# Altium PCB DOAN2.PcbDoc
Units mm, origin at the board's own origin, x right, y up, seen from the top; angles counter-clockwise.
Board outline 202.82 x 161.8 mm, 2 copper layers (Top Layer, Bottom Layer); 71 components, 76 nets, 315 pads, 87 vias.
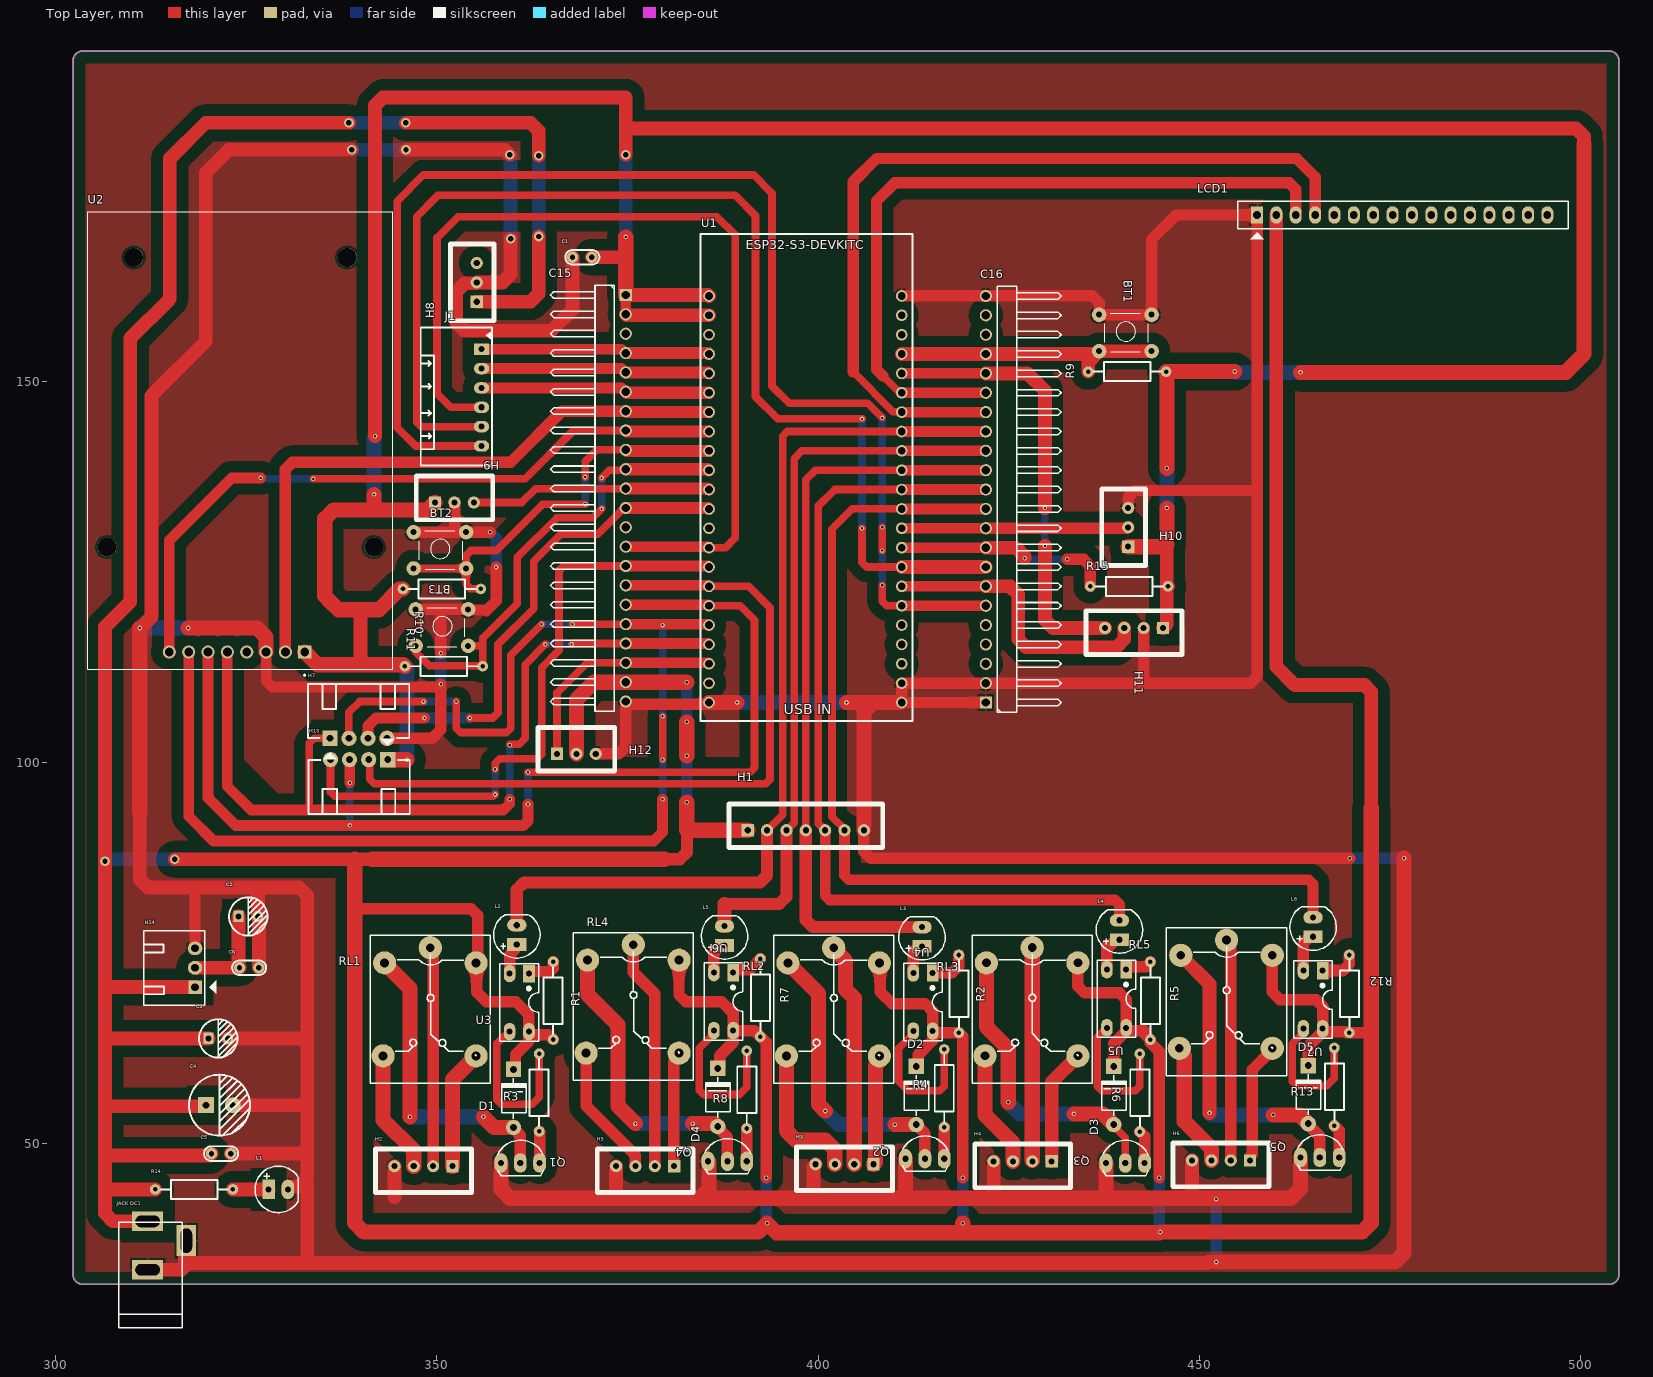
[diagram p0: Top Layer view]
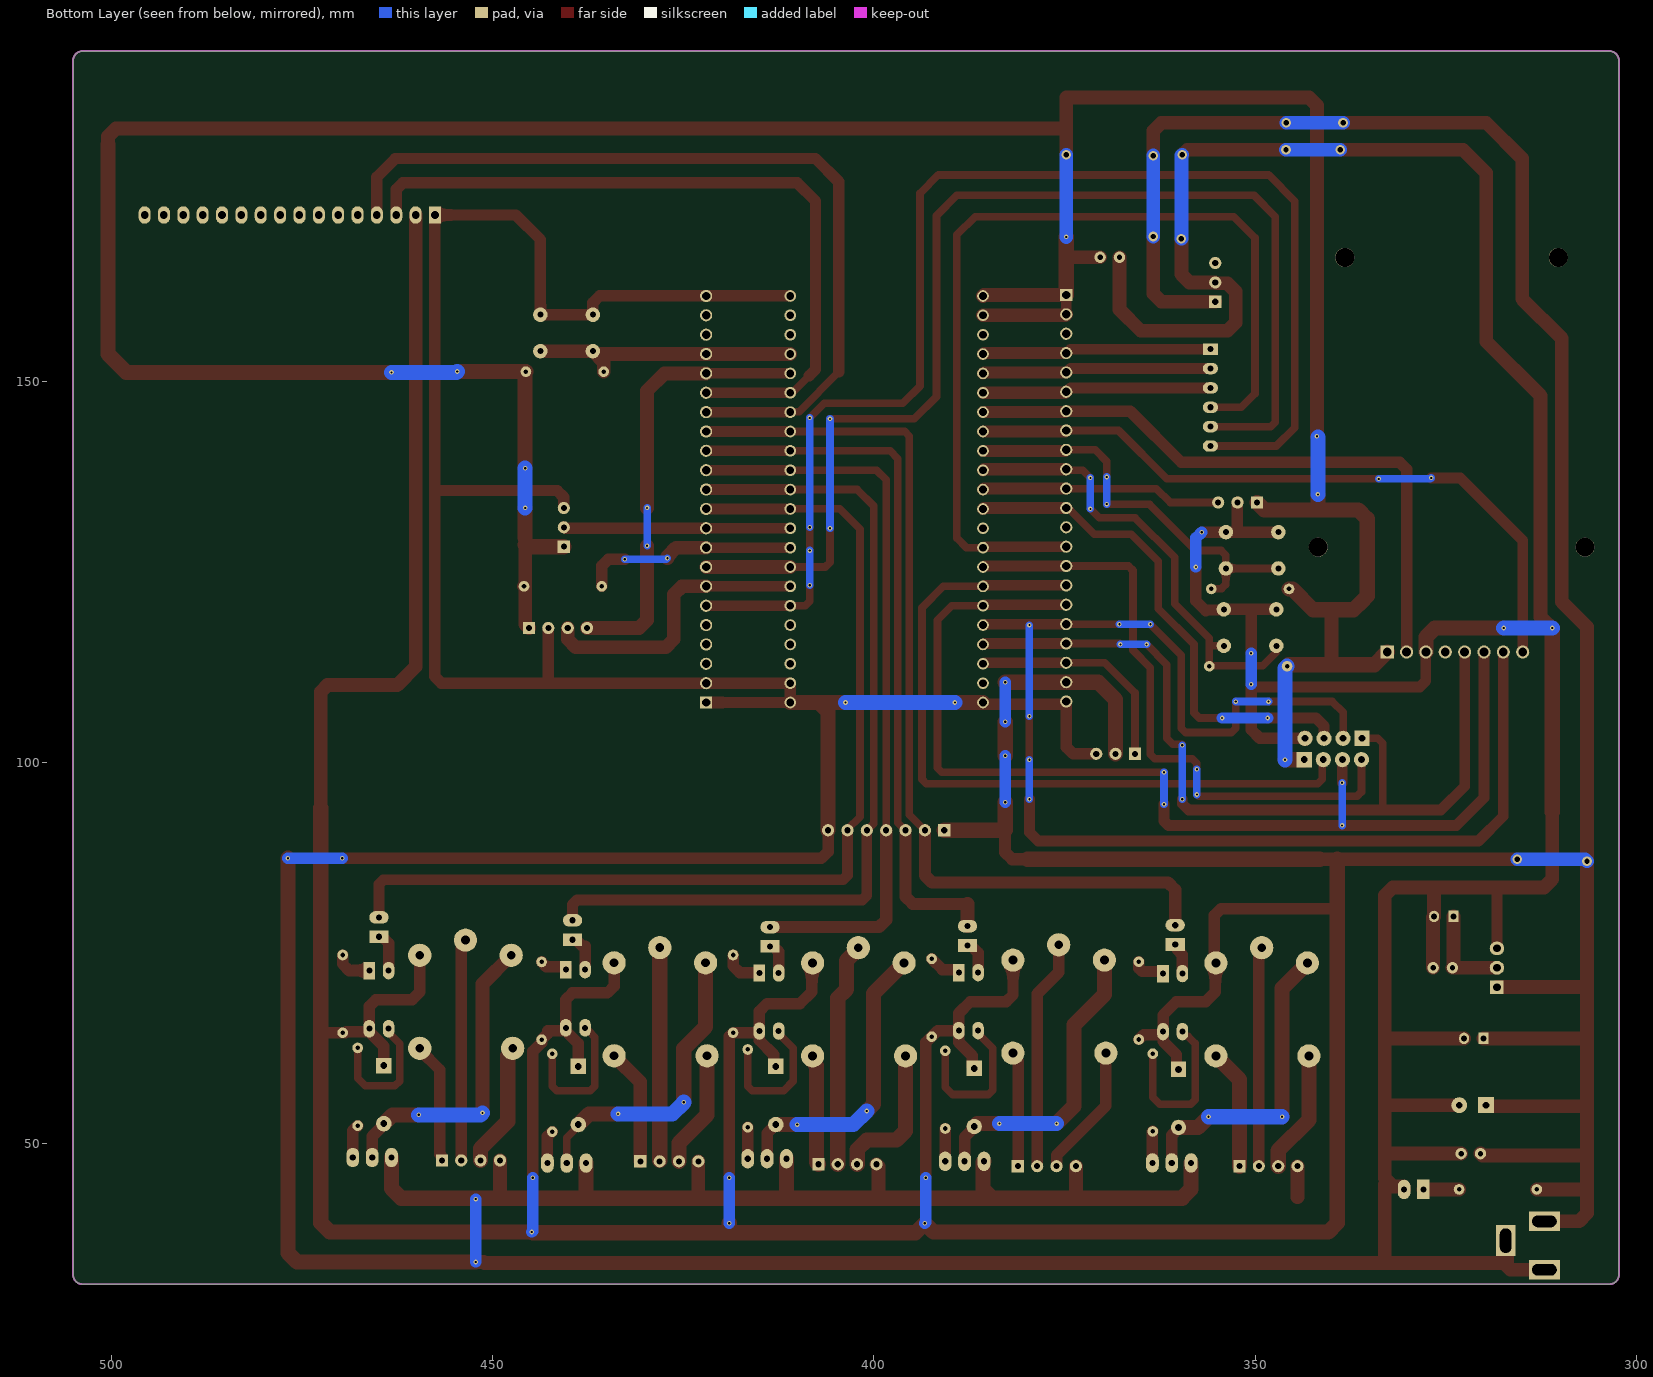
[diagram p1: Bottom Layer view, seen from below]
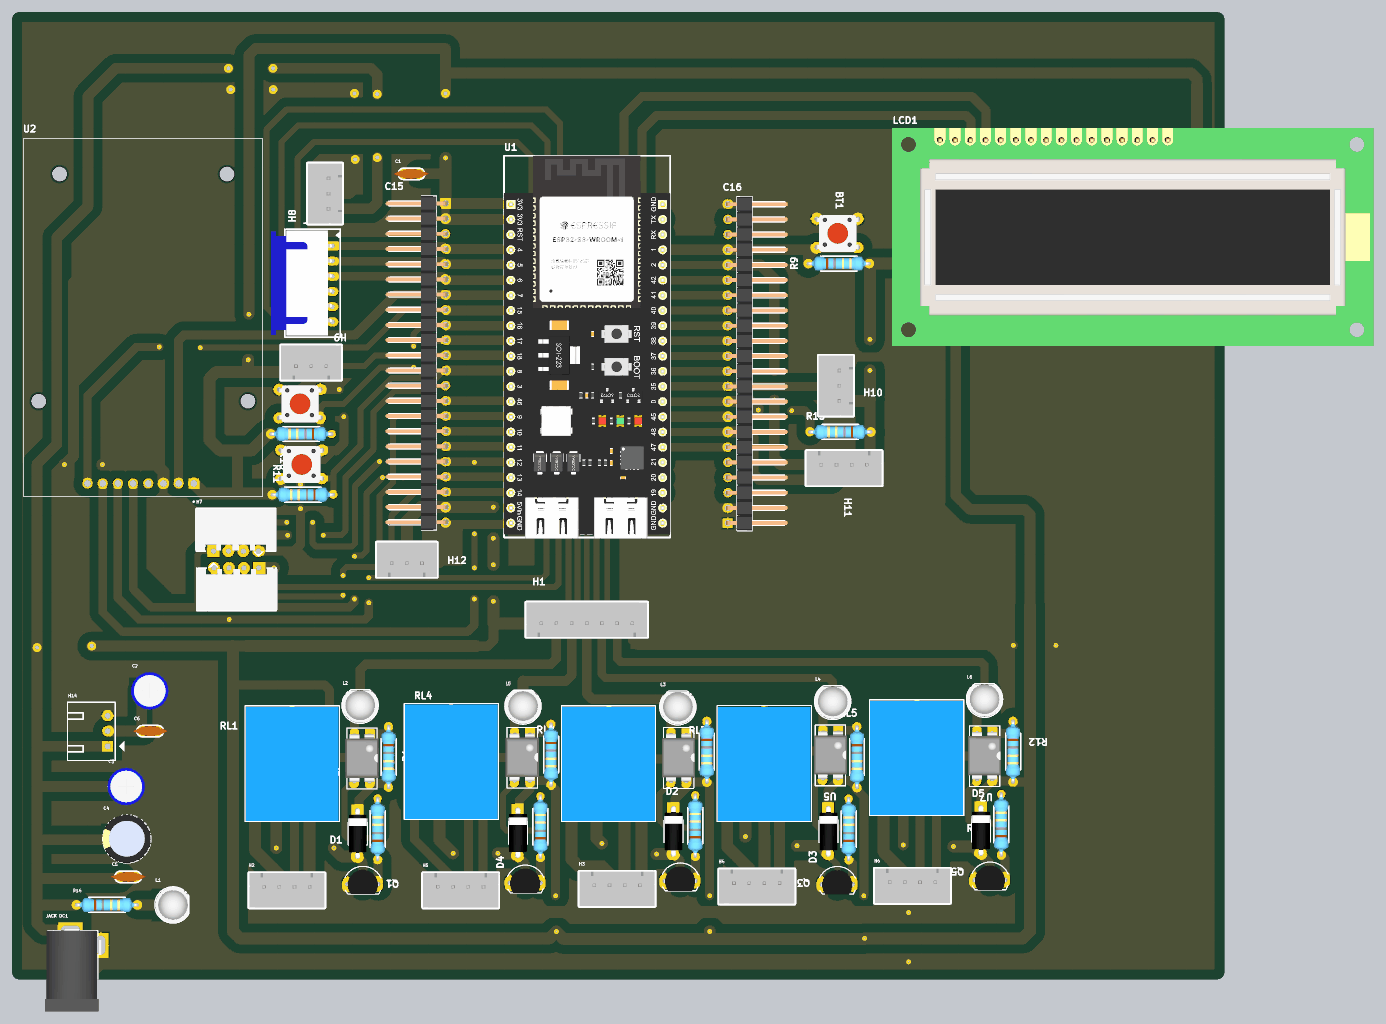
[diagram p2: 3D render of the assembled board from above, using the file's embedded part models]

## Layer stack, top to bottom
Top Solder: solder mask 0.0102, Solder Resist, Dk 3.5
Top Layer: signal copper 0.0356
Dielectric 1: dielectric 0.32, FR-4, Dk 4.8
Bottom Layer: signal copper 0.0356
Bottom Solder: solder mask 0.0102, Solder Resist, Dk 3.5

## Board outline
302.26,32.766 ccw(c303.53,32.766) 303.53,31.496 503.809,31.496 ccw(c503.809,32.766) 505.079,32.766 505.079,192.024 ccw(c503.809,192.024) 503.809,193.294 303.53,193.294 ccw(c303.53,192.024) 302.26,192.024

## Design rules (kind name [scope] priority, off if disabled: settings)
Clearance [All] p1: gap=0.3 ignorepadtopadclearanceinfootprint=FALSE except(1.5: Arc-Fill Arc-Poly Arc-Region Track-Fill Track-Poly Track-Region SMDPad-Fill SMDPad-Poly SMDPad-Region THPad-Fill THPad-Poly THPad-Region Via-Fill Via-Poly Via-Region Fill-Fill Fill-Poly Fill-Region Poly-Poly Poly-Region Region-Region)
HoleSize [All] p1: absolutevalues=TRUE maxlimit=4 minlimit=0.3 maxpercent=80.000 minpercent=20.000
HoleToHoleClearance [All] p1: gap=0.05 allowstackedmicrovias=TRUE
MinimumSolderMaskSliver [All] p1: minsoldermaskwidth=0.1
PolygonConnect [All] p1: connectstyle=Relief reliefconductorwidth=0.254 reliefentries=4 polygonreliefangle="90 Angle" airgapwidth=0.254
RoutingVias [All] p1: holewidth=0.4 width=0.8 viastyle="Through Hole" minholewidth=0.3 minwidth=0.6 maxholewidth=0.711 maxwidth=1.27
SilkToSilkClearance [All] p1 off: silktosilkclearance=0.254
SilkToSolderMaskClearance [IsPad] p1 off: minsilkscreentomaskgap=0.05 clearancetoexposedcopper=TRUE
SolderMaskExpansion [All] p1: expansion=0.102 istentingtop=FALSE
Width [All] p1: maxlimit=1.8 minlimit=0.5 preferedwidth=1.4
25 further rules are at their usual default settings.

## Classes and differential pairs
component class Machnguon: C2 C3 C4 C5 C6 H14 "JACK DC1" L1 R14
component class DOAN2: BT1 BT2 BT3 C1 C15 C16 D1 D2 D3 D4 D5 H1 H2 H3 H4 H5 H6 H7 H8 H9 H10 H11 H12 H13 J1 L2 L3 L4 L5 L6 LCD1 Q1 Q2 Q3 Q4 Q5 R1 R2 R3 R4 R5 R6 R7 R8 R9 R10 R11 R12 R13 R15 RL1 RL2 RL3 RL4 RL5 U1 U2 U3 U4 U5 U6 U7

## Components (designator, comment, footprint, x,y, rotation, side; value= is the part's Value field where it differs from the comment)
BT1 "Nut Nhan 4 Chan Cam 6x6" "Nut Nhan 4 Chan Cam 6x6" 437.21,158.902 r0 top
BT2 "Nut Nhan 4 Chan Cam 6x6" "Nut Nhan 4 Chan Cam 6x6" 347.269,130.388 r0 top
BT3 "Nut Nhan 4 Chan Cam 6x6" "Nut Nhan 4 Chan Cam 6x6" 347.548,120.242 r0 top
C1 "104" "tu gom" 369.062,166.243 r180 top
C2 "22uF" "tu hoa 5mm" 325.247,79.756 r0 top
C3 "22uF" "tu hoa 5mm" 321.31,63.754 r0 top
C4 "470uF" "tu hoa 8mm" 321.465,54.991 r0 top
C5 "104" "tu gom" 321.691,48.641 r0 top
C6 "104" "tu gom" 325.374,73.025 r0 top
C15 "JP22" JP22-D1C 372.237,106.68 r270 top
C16 "JP22" JP22-D1C 424.561,162.433 r90 top
D1 "100v" "DIODE 1A" 360.045,50.8 r270 top
D2 "100v" "DIODE 1A" 412.877,51.181 r270 top
D3 "100v" "DIODE 1A" 438.785,51.181 r270 top
D4 "100v" "DIODE 1A" 386.842,50.927 r270 top
D5 "100v" "DIODE 1A" 464.312,51.308 r270 top
H1 "Header 7P 2.54 Duc Thang" XH2.54M-7 390.779,91.059 r0 top
H2 "Header 4P 2.54 Duc Thang" XH2.54M-4 352.044,46.99 r180 top
H3 "Header 4P 2.54 Duc Thang" XH2.54M-4 407.289,47.244 r180 top
H4 "Header 4P 2.54 Duc Thang" XH2.54M-4 430.657,47.625 r180 top
H5 "Header 4P 2.54 Duc Thang" XH2.54M-4 381.127,46.99 r180 top
H6 "Header 4P 2.54 Duc Thang" XH2.54M-4 456.692,47.752 r180 top
H7 "Header 4P 2.54 Duc Cong" "Header 4P DC 2.54" 335.98,103.149 r90 top
H8 "Header 3P 2.54 Duc Thang" XH2.54M-3 355.219,160.401 r90 top
H9 "Header 3P 2.54 Duc Thang" XH2.54M-3 349.758,134.071 r0 top
H10 "Header 3P 2.54 Duc Thang" XH2.54M-3 440.69,128.27 r90 top
H11 "Header 4P 2.54 Duc Thang" XH2.54M-4 445.262,117.602 r180 top
H12 "Header 3P 2.54 Duc Thang" XH2.54M-3 365.76,101.092 r0 top
H13 "Header 4P 2.54 Duc Cong" "Header 4P DC 2.54" 343.517,100.305 r270 top
H14 "Header 3P 2.54 Duc Cong" "Header 3P DC 2.54" 318.262,70.485 r180 top
J1 "MOTOR" CON6_100_S6B-XH-A_TH_RA 355.854,154.178 r0 top
"JACK DC1" "JACK DC 5.5" "JACK DC 5.5" 314.579,36.576 r90 top value="Jac DC"
L1 "LED 5mm" LED-5MM-RED 327.914,43.942 r0 top
L2 "LED 5mm" LED-5MM-RED 360.484,76.073 r90 top
L3 "LED 5mm" LED-5MM-RED 413.639,75.819 r90 top
L4 "LED 5mm" LED-5MM-RED 439.547,76.708 r90 top
L5 "LED 5mm" LED-5MM-RED 387.731,75.946 r90 top
L6 "LED 5mm" LED-5MM-RED 464.947,77.089 r90 top
LCD1 "LCD1602 XL" "LCD1602 with Jump" 457.595,171.787 r0 top
Q1 "C1815" TO92 360.934,47.418 r0 top value=C9014
Q2 "C1815" TO92 414.02,47.973 r0 top value=C9014
Q3 "C1815" TO92 440.309,47.397 r0 top value=C9014
Q4 "C1815" TO92 388.112,47.625 r0 top value=C9014
Q5 "C1815" TO92 465.836,48.131 r0 top value=C9014
R1 "1k" "tro vach 1/4w" 365.252,68.707 r90 top
R2 "1k" "tro vach 1/4w" 418.486,69.596 r90 top
R3 "1k" "tro vach 1/4w" 363.416,56.65 r270 top
R4 "1k" "tro vach 1/4w" 416.56,57.204 r270 top
R5 "1k" "tro vach 1/4w" 443.611,68.685 r90 top
R6 "1k" "tro vach 1/4w" 442.214,56.628 r270 top
R7 "1k" "tro vach 1/4w" 392.43,69.088 r90 top
R8 "1k" "tro vach 1/4w" 390.652,57.031 r270 top
R9 "10K" "tro vach 1/4w" 440.563,151.239 r180 top
R10 "10K" "tro vach 1/4w" 350.647,122.725 r0 top
R11 "10K" "tro vach 1/4w" 350.901,112.579 r0 top
R12 "1k" "tro vach 1/4w" 469.715,69.596 r90 top
R13 "1k" "tro vach 1/4w" 467.741,57.404 r270 top
R14 "1k" "tro vach 1/4w" 318.135,43.942 r180 top
R15 "10k" "tro vach 1/4w" 440.817,123.063 r0 top
RL1 "Relay" "Relay 5 Chan SRD" 349.13,75.654 r270 top
RL2 "Relay" "Relay 5 Chan SRD" 402.051,75.654 r270 top
RL3 "Relay" "Relay 5 Chan SRD" 428.096,75.668 r270 top
RL4 "Relay" "Relay 5 Chan SRD" 375.762,76.035 r270 top
RL5 "Relay" "Relay 5 Chan SRD" 453.593,76.657 r270 top
U1 "ESP32-S3-DEVKITC-1U-N8R8" MODULE_ESP32-S3-DEVKITC-1U-N8R8 397.129,131.191 r0 top
U2 "RC522" MODULE_CEG006900 324.216,142.21 r180 top
U3 "OPTO PC817 DIP4" DIP4#1 362.077,72.263 r180 top value=PC817
U4 "OPTO PC817 DIP4" DIP4#1 415.036,72.339 r180 top value=PC817
U5 "OPTO PC817 DIP4" DIP4#1 440.436,72.771 r180 top value=PC817
U6 "OPTO PC817 DIP4" DIP4#1 388.874,72.39 r180 top value=PC817
U7 "OPTO PC817 DIP4" DIP4#2 466.217,72.708 r180 top value=PC817

## Footprints (in the part's own frame and the unit in brackets; to place one, negate y for a bottom-side part, rotate by r counter-clockwise, add the part's x,y. Pads: shape width x height; smd on the part's side, far side on the other; paste and mask are expansions set on the pad)
CON6_100_S6B-XH-A_TH_RA [mm] "Connector Header"
  rect 2x1.5 hole 0.8: 1(0,0)
  oval 2x1.5 hole 0.8: 2(0,-2.54) 3(0,-5.08) 4(0,-7.62) 5(0,-10.16) 6(0,-12.7)
  silkscreen extent -7.98,-15.24 1.35,2.82, body extent -10.23,-14.95 -0.06,2.55, height 5.91
"DIODE 1A" [mil] "Diode 1A"
  round 80 hole 35: 1(-50,0)
  rect 80x80 hole 35: 2(-350,0)
  silkscreen extent -305,-61 -95,65, body extent -366,-61 -34,65, height 122
DIP4#1 [mil]
  rect 60x90 hole 31: 1(0,0)
  oval 60x90 hole 31: 2(100,0) 3(100,300) 4(0,300)
  silkscreen extent -50,-50 150,350, body extent -59,-10 159,305, height 170
DIP4#2 [mil] "W.300/L.400"
  rect 60x90 hole 31: 1(0,2.52)
  oval 60x90 hole 31: 2(100,2.52) 3(100,302.52) 4(0,302.52)
  silkscreen extent -50,-47 150,353, body extent -59,-7 159,307, height 170
"Header 3P DC 2.54" [mil]
  rect 70x70 hole 39.37 unplated: 1(0,0)
  oval 75x70 hole 39.37 unplated: 2(0,-100) 3(0,-200)
  silkscreen extent -110,-290 265,93
"Header 4P DC 2.54" [mil]
  rect 78.74x78.74 hole 35: 1(-1,1)
  round 78.74 hole 35: 2(-1,-97.42) 3(-1,-195.85) 4(-1,-294.28)
  silkscreen extent -110,-409 280,115, body extent 5,-413 278,123, height 290
"JACK DC 5.5" [mm] "Jac DC input"
  rect 2.54x4.064 hole 1.5 slot 3.2 at 90 deg: 1(3.175,2.54) 2(-3.175,2.54)
  rect 4.064x2.54 hole 1.5 slot 3.2 at 0 deg: 3(0.635,-2.54)
  silkscreen extent -10.79,-2.03 3.05,6.35, body extent -10.42,-2.67 3.4,6.84, height 11.02
JP22-D1C [mm] "22 pins, 1 row, right angled, gold plating"
  rect 1.6x1.6 hole 1.1: 1(-54.61,2.54)
  round 1.6 hole 1.1: 2(-52.07,2.54) 3(-49.53,2.54) 4(-46.99,2.54) 5(-44.45,2.54) 6(-41.91,2.54) 7(-39.37,2.54) 8(-36.83,2.54) 9(-34.29,2.54) 10(-31.75,2.54) 11(-29.21,2.54) 12(-26.67,2.54) 13(-24.13,2.54) 14(-21.59,2.54) 15(-19.05,2.54) 16(-16.51,2.54) 17(-13.97,2.54) 18(-11.43,2.54) 19(-8.89,2.54) 20(-6.35,2.54) 21(-3.81,2.54) 22(-1.27,2.54)
  silkscreen extent -55.88,-7.34 0,1.04, body extent -55.88,-7.52 0,2.84, height 2.55
"LCD1602 with Jump" [mil] "LCD dipslay 16x2, 16 pin"
  rect 62x90 hole 39: 1(0,0)
  oval 62x90 hole 39: 2(100,0) 3(200,0) 4(300,0) 5(400,0) 6(500,0) 7(600,0) 8(700,0) 9(800,0) 10(900,0) 11(1000,0) 12(1100,0) 13(1200,0) 14(1300,0) 15(1400,0) 16(1500,0)
  silkscreen extent -100,-125 1608,70, body extent -320,-1353 2850,84, height 764
LED-5MM-RED [mil] "LED 2 PIN, 5 ly , Only colour,pin to pin 100mil"
  rect 65x100 hole 32: 1(0,0)
  oval 65x100 hole 32: 2(100,0)
  silkscreen extent -70,-120 154,120, body extent -65,-119 149,118, height 339
MODULE_CEG006900 [mm]
  rect 1.725x1.725 / inner round 1.725 / far side rect 1.725x1.725 hole 1.15: 1(-8.45,27.76)
  round 1.725 hole 1.15: 2(-5.91,27.76) 3(-3.37,27.76) 4(-0.83,27.76) 5(1.71,27.76) 6(4.25,27.76) 7(6.79,27.76) 8(9.33,27.76)
  round 2.5 hole 2.5 unplated: ""(-17.5,14) ""(-14,-24) ""(14,-24) ""(17.5,14)
  silkscreen extent -20,-30 20,30.91
MODULE_ESP32-S3-DEVKITC-1U-N8R8 [mm]
  round 1.53 hole 1.02 mask+0.102: 5V(-11.43,-20.83) GND(-11.43,-23.37) GND(13.843,-23.368) GND(13.843,-20.828) GND(13.843,29.972) J1_3(-11.43,24.89) J1_4(-11.43,22.35) J1_5(-11.43,19.81) J1_6(-11.43,17.27) J1_7(-11.43,14.73) J1_8(-11.43,12.19) J1_9(-11.43,9.65) J1_10(-11.43,7.11) J1_11(-11.43,4.57) J1_12(-11.43,2.03) J1_13(-11.43,-0.51) J1_14(-11.43,-3.05) J1_15(-11.43,-5.59) J1_16(-11.43,-8.13) J1_17(-11.43,-10.67) J1_18(-11.43,-13.21) J1_19(-11.43,-15.75) J1_20(-11.43,-18.29) J3_2(13.843,27.432) J3_3(13.843,24.892) J3_4(13.843,22.352) J3_5(13.843,19.812) J3_6(13.843,17.272) J3_7(13.843,14.732) J3_8(13.843,12.192) J3_9(13.843,9.652) J3_10(13.843,7.112) J3_11(13.843,4.572) J3_12(13.843,2.032) J3_13(13.843,-0.508) J3_14(13.843,-3.048) J3_15(13.843,-5.588) J3_16(13.843,-8.128) J3_17(13.843,-10.668) J3_18(13.843,-13.208) J3_19(13.843,-15.748) J3_20(13.843,-18.288) VCC(-11.43,27.43) VCC(-11.43,29.97)
  silkscreen extent -12.57,-25.78 15.24,38.1, body extent -12.7,-25.92 15.25,38.1, height 8.21
"Nut Nhan 4 Chan Cam 6x6" [mil] "SW button 4pin, 250 x250 mil"
  round 75 hole 31: 1(-13,-8) 1(258,-8) 2(-13,-196) 2(258,-196)
  silkscreen extent 15,-215 240,0, body extent -31,-225 281,19, height 276
"Relay 5 Chan SRD" [mil] "Relay SPDT, 5 pin, 10A,W 650mil, L 800mil, H 800mil"
  round 120 hole 45: 1(0,0) 2(559.06,236.22) 3(559.06,-243.78) 4(78.74,-236.22) 5(78.74,236.22)
  silkscreen extent -63,-311 700,310, body extent -55,-306 697,304, height 602
TO92 [mil] "TO-92"
  oval 66x100 hole 32: 1(-100,0) 2(0,0) 3(100,0)
  silkscreen extent -117,-65 120,118, body extent -109,-66 109,95, height 245
"tro vach 1/4w" [mm]
  round 1.4 hole 0.6: 1(-5.1,0) 2(5.1,0)
  silkscreen extent -4.39,-1.25 4.42,1.25, body extent -5.38,-1.2 5.38,1.2, height 2.41
"tu gom" [mm] "Tu gom mini"
  round 1.5 hole 0.7: 1(-1.27,0) 2(1.27,0)
  silkscreen extent -2.25,-0.97 2.22,0.97, body extent -2.92,-0.85 2.92,0.85, height 6.12
"tu hoa 5mm" [mm]
  rect 1.3x1.5 hole 0.8: 1(-1.27,0)
  oval 1.3x1.5 hole 0.8: 2(1.27,0)
  silkscreen extent -2.51,-2.51 2.51,2.51, body extent -3.12,-3.18 3.23,3.18, height 14.55
"tu hoa 8mm" [mm]
  rect 2.1x2.1 hole 0.9: 1(-1.75,0)
  round 2.1 hole 0.9: 2(1.75,0)
  silkscreen extent -4,-4 4,4, body extent -4.1,-4.07 4.1,4.13, height 13.81
XH2.54M-3 [mm]
  rect 1.6x1.6 hole 0.8: 1(0,0)
  round 1.6 hole 0.8: 2(2.54,0) 3(5.08,0)
  silkscreen extent -2.48,-2.26 7.56,3.46, body extent -2.48,-2.26 7.56,3.48, height 6.91
XH2.54M-4 [mm]
  rect 1.6x1.6 hole 0.8: 1(0,0)
  round 1.6 hole 0.8: 2(2.54,0) 3(5.08,0) 4(7.62,0)
  silkscreen extent -2.48,-2.26 10.1,3.46, body extent -2.48,-2.26 10.1,3.48, height 6.91
XH2.54M-7 [mm]
  rect 1.6x1.6 hole 0.8: 1(0,0)
  round 1.6 hole 0.8: 2(2.54,0) 3(5.08,0) 4(7.62,0) 5(10.16,0) 6(12.7,0) 7(15.24,0)
  silkscreen extent -2.48,-2.26 17.72,3.46, body extent -2.48,-2.26 17.72,3.48, height 6.91
